# KiCad board NS32016-BC.kicad_pcb (continued)
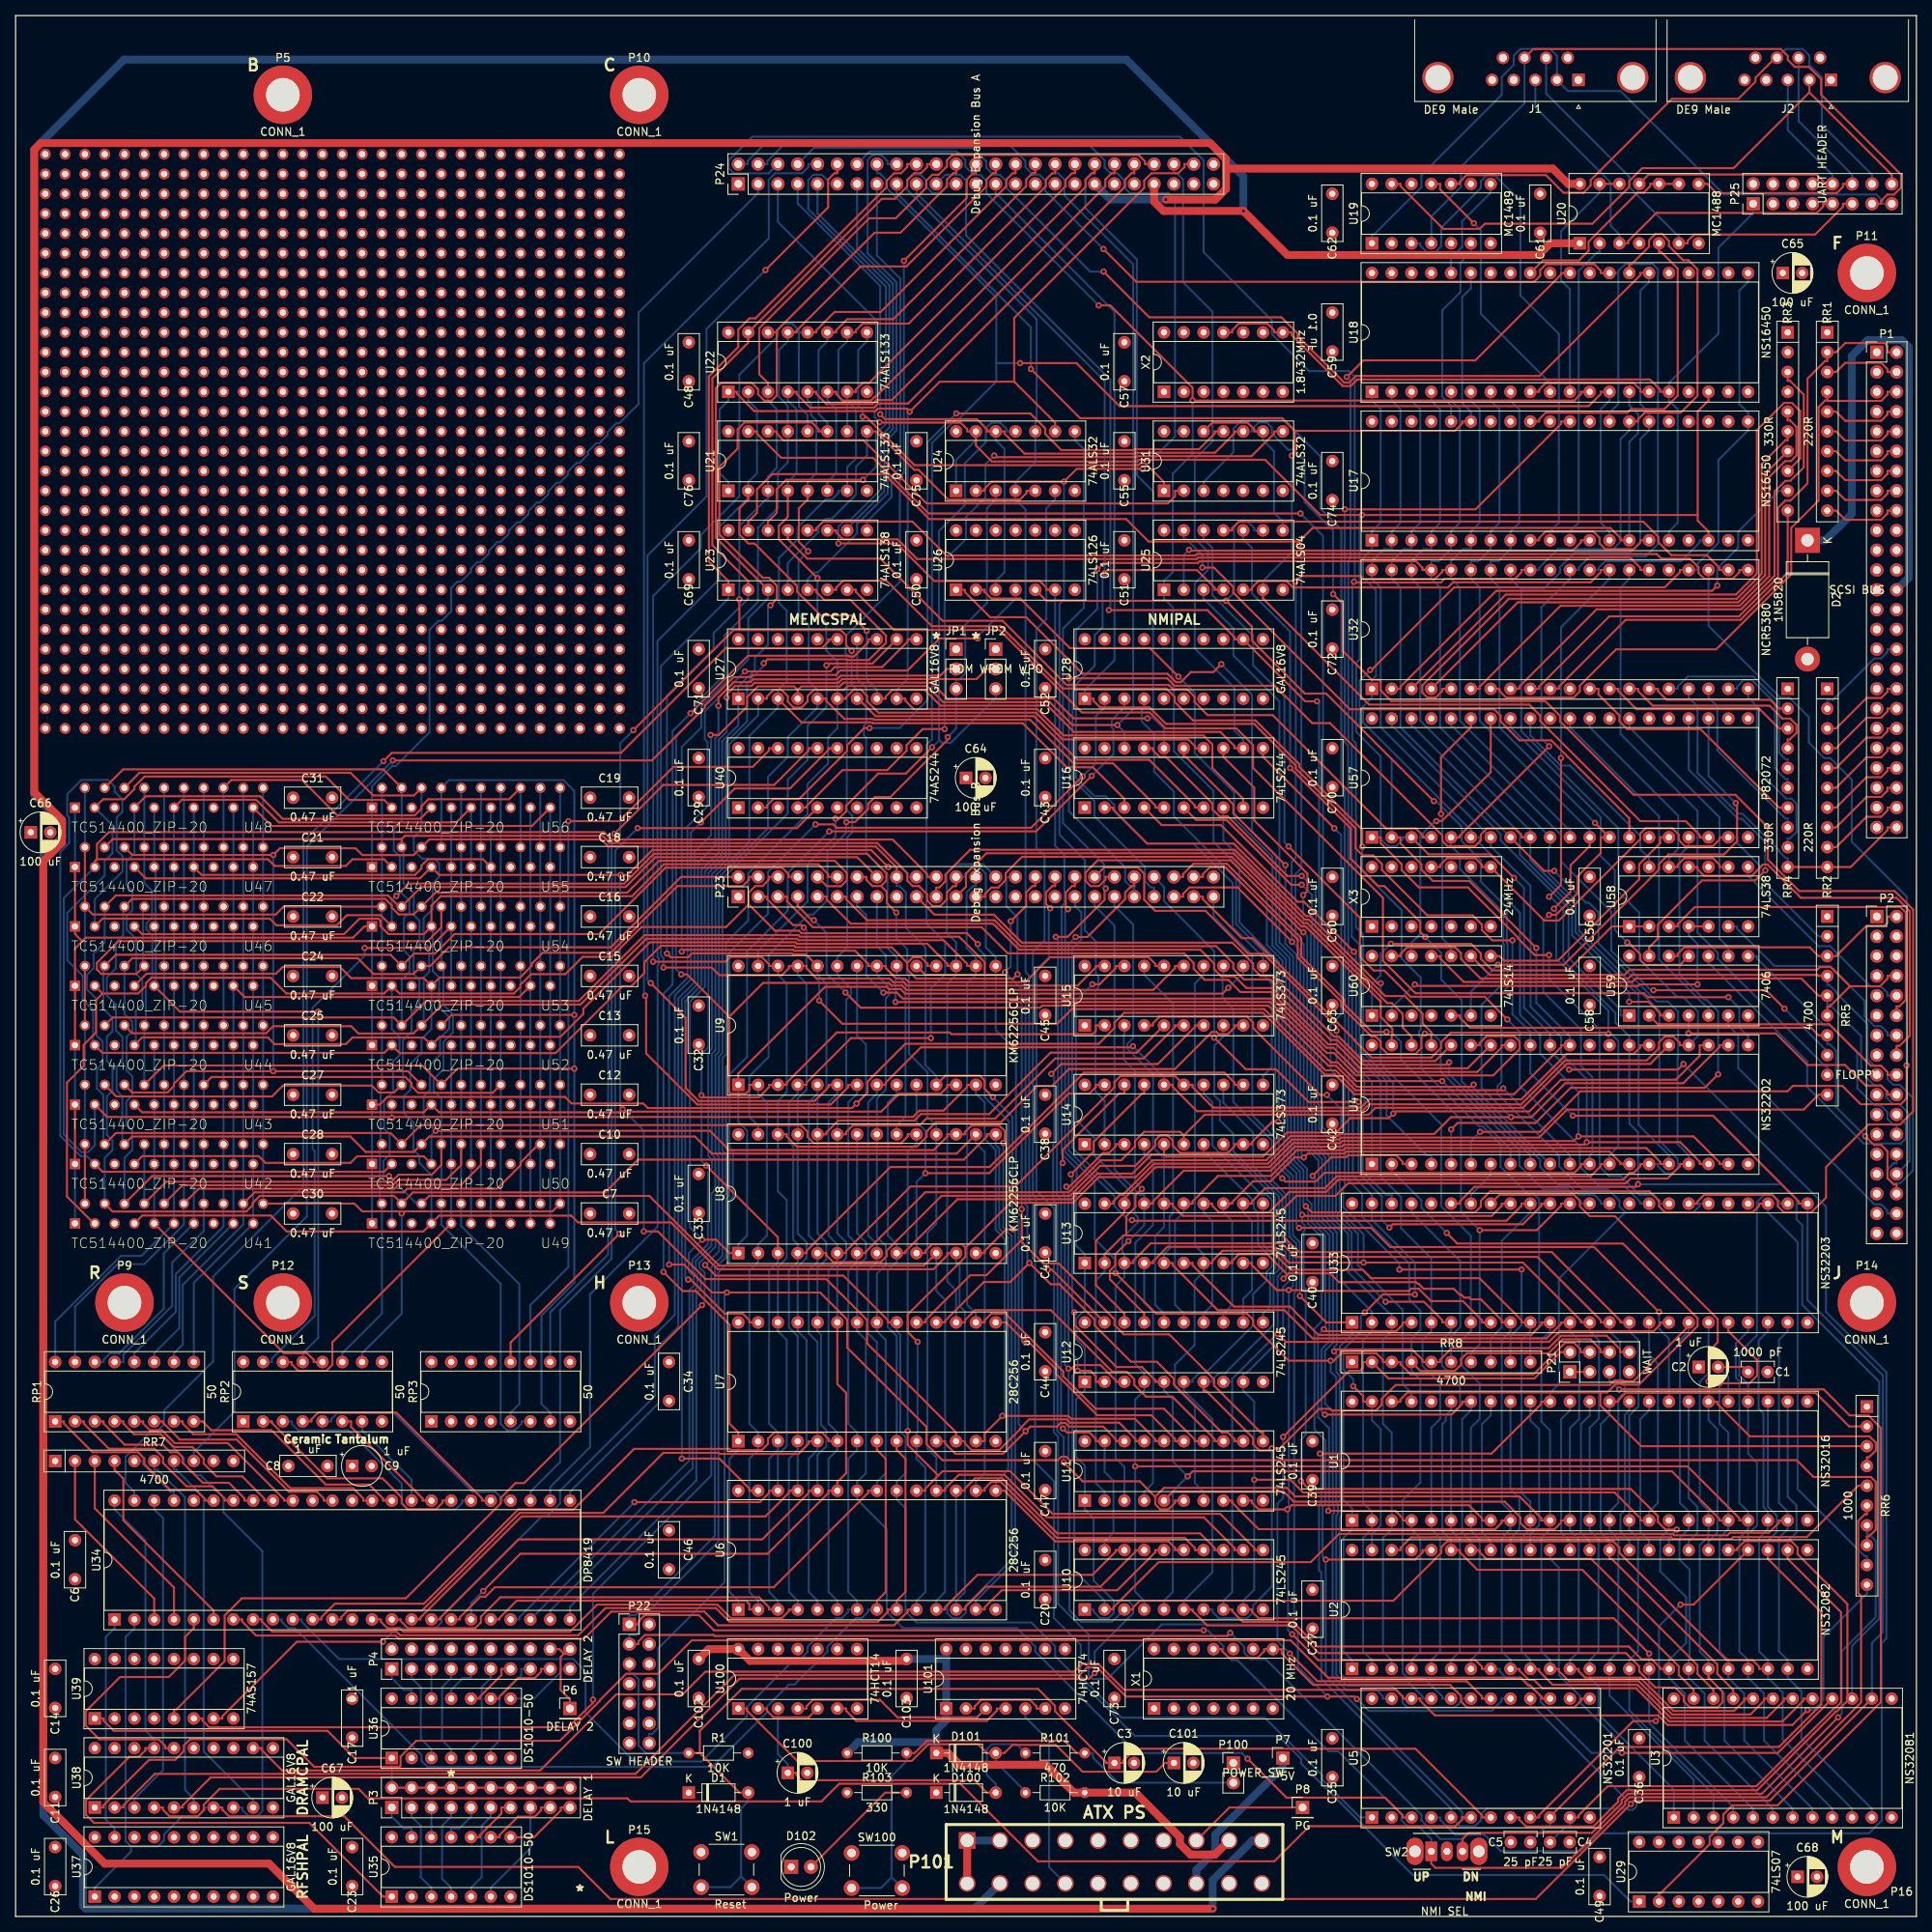
[diagram p0: board, top side]
## Routing (per net, layer and track width the routed paths; a pad name or vN(x,y) marks a point on that pad's centre or on a via; arc(x,y) is an arc through that point) (continued)
-rst_sw: length 162.2
  Top w0.25: 87.77,20.96 87.77,23.81 93.15,29.18 131.16,29.18 133.35,27 133.35,26.31 139.84,19.82 139.84,19.69 C3.1 142.1,19.69 142.1,19.97 143.63,21.51 179.58,21.51 188.1,12.98 188.1,12.7 U5.7 ; 87.77,20.96 R1.1 ; 87.77,20.96 92.85,15.88 D1.2
  Bottom w0.25: R1.1 80.88,20.96 79.91,21.92 79.91,30.41 79.1,31.21 78.73,31.21 P22.5 ; SW1.2 91.7,3.75 93.07,5.13 ; 93.07,5.13 SW1.2 ; 93.07,5.13 93.07,13.84 93.98,14.75 D1.2
-rts1: length 43.7
  Top w0.25: U20.5 210.82,213.5 211.1,213.5 213.22,211.39 213.22,195.08 211.48,193.35 207.19,193.35 206.74,192.9 196.28,192.9 195.44,192.05 195.44,191.77 U17.32
  In1.Cu w0.25: U20.4 U20.5
-rts2: length 24.6
  Top w0.25: U18.32 195.93,212.44 200.55,212.44 201.79,213.67 201.79,214.84 208.07,221.12 208.85,221.12 209.69,221.97 209.69,222.25 U20.10 U20.9
-rxd1: length 68
  Bottom w0.25: U17.10 196.85,177.66 197.98,178.78 197.98,203 193.04,207.94 193.04,220.05 189.71,223.38 188.77,223.38 187.96,222.57 187.96,221.72 182.88,216.64 182.88,214.26 182.11,213.48 181.06,213.48 180.2,214.35 180.2,214.63 U19.3
-rxd2: length 33.6
  Top w0.25: U19.11 182.74,222.25 182.74,221.54 v1(187.07,217.2)
  Bottom w0.25: v1(187.07,217.2) 187.96,216.31 187.96,205.6 196.85,196.71 U18.10
-sc_ack: length 43.4
  Top w0.25: RR4.4 227.33,150.99 227.61,150.99 228.46,151.83 228.46,152.87 227.65,153.67 226.65,153.67 225,155.32 210.02,155.32 208.14,157.2 208.14,157.48 U32.14 ; P1.38 240.12,154.94 240.12,154.57 239.32,153.76 237.44,153.76 233.54,149.86 RR2.4
  In1.Cu w0.25: RR4.4 RR2.4
-sc_atn: length 37
  Top w0.25: U32.15 210.68,157.48 210.68,157.2 211.81,156.07 225.08,156.07 226.2,154.94 RR4.2
  In1.Cu w0.25: RR4.2 RR2.2
  Bottom w0.25: P1.32 240.12,162.56 240.12,162.19 239.32,161.38 238.46,161.38 233.14,156.07 232.41,156.07 RR2.2
-sc_bsy: length 41.4
  Top w0.25: P1.36 240.12,157.48 240.12,157.11 239.32,156.3 237.44,156.3 233.54,152.4 RR2.3 ; RR4.3 226.2,152.4 223.74,154.87 207.93,154.87 205.6,157.2 205.6,157.48 U32.13
  In1.Cu w0.25: RR4.3 RR2.3
-sc_cd: length 38.4
  Top w0.25: P1.46 240.12,144.78 240.12,144.41 239.32,143.6 237.44,143.6 233.54,139.7 RR2.8
  In1.Cu w0.25: RR4.8 RR2.8
  Bottom w0.25: RR4.8 227.33,140.83 227.05,140.83 218.3,149.58 218.3,155.23 217.17,156.35 U32.18
-sc_db<0>: length 85.3
  Top w0.25: P1.2 240.12,200.66 240.12,201.47 239.76,201.84 234.71,201.84 233.54,200.66 RR1.2 232.41,199.53 232.13,199.53 229.87,197.28 229.87,183.82 227.66,181.61 227,181.61 226.08,180.69 226.08,171.78 221.08,166.78 204.45,166.78 195.44,157.76 195.44,157.48 U32.9
  In1.Cu w0.25: RR3.2 RR1.2
-sc_db<1>: length 84.3
  Top w0.25: U32.8 192.9,157.48 192.9,157.76 202.81,167.68 221.35,167.68 225.63,171.96 225.63,182.77 227.01,184.15 227.66,184.15 229.39,185.88 229.39,195.22 227.61,196.99 227.33,196.99 RR3.3 ; RR1.3 233.54,198.12 234.71,199.3 239.32,199.3 240.12,198.49 240.12,198.12 P1.4
  In1.Cu w0.25: RR3.3 RR1.3
-sc_db<2>: length 86.3
  Top w0.25: P1.6 240.12,195.58 240.12,195.21 239.32,194.4 232.46,194.4 232.41,194.45 ; U32.7 190.36,157.48 190.36,157.2 191.2,156.35 199.87,156.35 200.66,157.15 200.66,157.88 205.33,162.54 218.16,162.54 227.78,172.17 227.78,178.12 231.28,181.62 231.28,193.61 232.13,194.45 232.41,194.45 ; RR1.4 232.41,194.45
  In1.Cu w0.25: RR3.4 RR1.4
-sc_db<3>: length 83.2
  Top w0.25: RR3.5 227.33,191.91 227.61,191.91 228.46,191.07 228.46,187.41 227.73,186.69 227.01,186.69 224.96,184.64 224.96,171.92 221.16,168.13 198.18,168.13 187.82,157.76 187.82,157.48 U32.6 ; RR1.5 233.54,193.04 234.71,191.86 239.32,191.86 240.12,192.67 240.12,193.04 P1.8
  In1.Cu w0.25: RR3.5 RR1.5
-sc_db<4>: length 90
  Top w0.25: P1.10 240.12,190.5 240.12,190.13 239.32,189.32 234.71,189.32 233.54,190.5 RR1.6 ; U32.5 183.02,157.48 183.02,157.2 182.18,156.35 181.12,156.35 180.45,157.02 180.45,157.92 191.55,169.03 220.79,169.03 223.99,172.23 223.99,186.32 227.05,189.37 227.33,189.37 RR3.6
  In1.Cu w0.25: RR3.6 RR1.6
-sc_db<5>: length 81.1
  Top w0.25: RR1.7 233.54,187.96 234.71,186.78 239.32,186.78 240.12,187.59 240.12,187.96 P1.12 ; U32.4 192.71,168.58 220.97,168.58 224.44,172.05 224.44,185.07 RR3.7
  In1.Cu w0.25: RR3.7 RR1.7
-sc_db<6>: length 99.8
  Top w0.25: U32.3 191.17,169.58 220.7,169.58 223.38,172.25 223.38,190.68 226.86,194.17 227.86,194.17 228.94,193.09 228.94,187.03 RR3.8 ; P1.14 240.12,185.42 240.12,185.05 239.32,184.24 234.71,184.24 233.54,185.42 RR1.8
  In1.Cu w0.25: RR3.8 RR1.8
-sc_db<7>: length 79.1
  Top w0.25: U32.2 177.66,157.48 177.66,157.76 189.94,170.05 217.62,170.05 v1(218.3,170.72) ; RR1.9 233.54,182.88 234.71,181.7 239.32,181.7 240.12,182.51 240.12,182.88 P1.16
  In1.Cu w0.25: RR3.9 RR1.9
  Bottom w0.25: v1(218.3,170.72) 218.3,172.92 220.98,175.6 220.98,177.66 226.2,182.88 RR3.9
-sc_dbp: length 59.9
  Top w0.25: P1.18 240.12,180.34 240.12,179.97 239.32,179.16 234.71,179.16 233.54,180.34 RR1.10 ; RR3.10 227.33,172.39 221.27,166.33 206.54,166.33 197.98,157.76 197.98,157.48 U32.10
  In1.Cu w0.25: RR3.10 RR1.10
-sc_io: length 44.9
  Top w0.25: RR4.10 RR2.10 235.41,134.62 240.12,139.33 240.12,139.7 P1.50
  Bottom w0.25: RR4.10 227.33,135.75 227.11,135.75 226.2,136.65 226.2,136.78 221.51,141.48 220.96,141.48 215.76,146.69 215.76,155.23 214.63,156.35 U32.17
-sc_msg: length 35.8
  Top w0.25: RR2.6 233.54,144.78 237.44,148.68 239.32,148.68 240.12,149.49 240.12,149.86 P1.42
  In1.Cu w0.25: RR4.6 RR2.6
  Bottom w0.25: RR4.6 227.33,145.91 227.05,145.91 225.69,147.27 225.69,155.64 222.71,158.61 221.69,158.61 220.84,157.76 220.84,157.48 U32.19
-sc_req: length 40.2
  Top w0.25: P1.48 240.12,142.24 240.12,141.87 239.32,141.06 237.44,141.06 233.54,137.16 RR2.9
  In1.Cu w0.25: RR4.9 RR2.9
  Bottom w0.25: RR4.9 227.33,138.29 227.61,138.29 228.46,139.13 228.46,142.74 227.79,143.4 227.11,143.4 223.38,147.14 223.38,155.23 222.25,156.35 U32.20
-sc_rst: length 41.7
  Top w0.25: RR2.5 233.54,147.32 237.44,151.22 239.32,151.22 240.12,152.03 240.12,152.4 P1.40
  In1.Cu w0.25: RR4.5 RR2.5
  Bottom w0.25: RR4.5 227.33,148.45 227.05,148.45 226.2,149.29 226.2,155.76 222.9,159.06 214.52,159.06 213.22,157.76 213.22,157.48 U32.16
-sc_sel: length 48.9
  Top w0.25: P1.44 240.12,147.32 240.12,146.95 239.32,146.14 237.44,146.14 233.54,142.24 RR2.7 ; U32.12 203.06,157.48 203.06,156.75 205.74,154.07 205.74,153.3 206.75,152.29 216.15,152.29 226.2,142.24 RR4.7
  In1.Cu w0.25: RR4.7 RR2.7
-spc: length 81.1
  Top w0.25: U3.21 220.34,29.07 218.3,31.11 218.3,32.32 204.75,45.86 204.47,45.86 U2.35 ; RR6.2 235.21,62.86 230.9,67.17 206.54,67.17 205.6,66.22 205.6,66.04 U1.35
  Bottom w0.25: U1.35 204.47,64.28 203.34,63.15 203.34,49.24 204.47,48.12 U2.35
-sram_cs: length 66.8
  Bottom w0.25: U8.20 113.03,101.46 114.16,102.58 114.16,119.67 113.03,120.79 U9.20 113.03,123.05 111.84,124.23 111.84,133.67 109.11,136.41 109.11,151.22 108.82,151.51 108.82,152.74 109.11,153.03 109.11,157.59 107.97,158.72 107.97,162.68 107.95,162.7 U27.14
-supervisor: length 20
  Bottom w0.25: U2.36 201.93,48.12 200.8,49.24 200.8,63.15 201.93,64.28 U1.36
-system_reset: length 335.6
  Top w0.25: v1(198.25,148.6) 198.25,132.33 v1(196.72,130.8) ; 234.99,27.94 234.99,40.07 228.6,46.46 228.6,47.32 227.77,48.15 221.81,48.15 220.84,47.17 220.84,46.99 U2.29 ; 234.99,27.94 U3.15 ; 234.99,27.94 234.99,27.65 233.6,26.26 233.5,26.26 223.42,16.19 206.67,16.19 205.58,15.1 205.58,14.71 202.41,11.54 193.77,11.54 192.9,12.42 192.9,12.7 U5.8 ; v1(208.14,93.92) 207.81,93.59 187.15,93.59 185.28,91.72 185.28,91.44 U33.43 ; U25.5 158.61,170.18 158.61,170.46 159.45,171.31 163.06,171.31 163.88,170.48 183.75,170.48 184.42,171.14 202.05,171.14 203.34,172.44 203.34,172.72 U32.28
  Bottom w0.25: v1(196.72,130.8) 196.89,130.8 198.54,129.15 198.54,122.6 205.22,115.91 205.22,114.67 207.01,112.89 U4.27 207.01,101.71 208.14,100.59 v1(208.14,93.92) 226.51,93.92 228.46,91.98 228.46,89.43 229.2,88.69 229.2,78.47 239.07,68.6 239.07,38.19 235.58,34.71 U3.15 ; v1(198.25,148.6) 198.25,165.37 204.47,171.59 U32.28
-tso: length 328.3
  Top w0.25: U38.2 13.83,13.97 13.83,14.25 17.85,18.28 79.52,18.28 92.18,30.95 136.47,30.95 137.46,31.94 138.72,31.94 142.45,28.21 v1(168.28,28.21) 171.75,28.21 v1(172.06,27.89)
  Bottom w0.25: v1(168.28,28.21) 164.49,32 164.49,36.5 164.02,36.96 164.02,80.01 164.31,80.29 164.31,86.3 163.4,87.2 163.4,94.79 162.05,96.15 162.05,100.19 161.25,100.98 161.25,103.95 161.6,104.3 161.6,122.26 156.56,127.29 156.56,133.14 148.59,141.11 148.59,144.3 146.05,146.84 146.05,151.7 144.46,153.29 144.46,154.76 144.78,155.08 U28.4 ; U5.17 190.64,27.94 190.64,27.66 189.35,26.36 173.59,26.36 v1(172.06,27.89)
-txd1: length 39.8
  Bottom w0.25: U20.2 203.2,213.5 202.92,213.5 200.52,211.1 200.52,178.78 199.39,177.66 U17.11
-txd2: length 31.7
  Top w0.25: U20.12 U20.13
  Bottom w0.25: U18.11 199.39,208.73 198.25,209.87 198.25,216.18 203.2,221.12 U20.13
-wait1: length 190.3
  Top w0.25: P23.40 139.79,133.35 139.79,132.98 138.99,132.17 137.9,132.17 137.25,132.83 137.25,133.91 138.81,135.48 155.84,135.48 165.07,126.25 v1(165.2,126.25) ; v1(169.14,72.49) 169.39,72.74 179.15,72.74 180.48,71.4 180.48,71.12 RR8.5 182.74,71.12 182.74,71.4 184.24,72.91 196.68,72.91 198.26,74.49 204.1,74.49 205.83,72.76 205.83,72.39 P21.8
  Bottom w0.25: v1(165.2,126.25) 165.69,125.76 165.69,103.71 165.86,103.55 165.86,98.89 167.59,97.16 167.59,89.63 169.48,87.74 169.48,73.37 169.14,73.03 v1(169.14,72.49) 169.42,72.2 169.42,69.81 169.87,69.37 169.87,53.27 170.08,53.06 170.08,51.41 169.86,51.2 169.86,31.27 171.09,30.04 178.66,30.04 180.48,28.22 180.48,27.94 U5.21
-wait2: length 167.8
  Top w0.25: v1(169.46,113.61) 169.46,114.11 160.08,123.48 158.15,123.48 152.64,129 146.19,129 144.78,130.41 144.78,133.75 143.97,134.57 139.65,134.57 P23.38 ; RR8.4 180.22,69.97 184.62,69.97 185.42,70.78 185.42,71.49 186.17,72.25 196.65,72.25 198.44,74.03 202.02,74.03 203.29,72.76 203.29,72.39 P21.6
  Bottom w0.25: v1(169.46,113.61) 169.46,109.7 170.98,108.18 170.98,94.45 172.72,92.71 172.72,89.8 178.78,83.74 178.78,79.14 180.2,77.72 180.2,75.25 179.07,74.12 RR8.4 179.07,69.99 180.21,68.86 180.21,55.67 177.93,53.39 177.93,31.23 178.53,30.62 180.62,30.62 183.02,28.22 183.02,27.94 U5.20
-wait4: length 185.4
  Top w0.25: P23.36 135.89,132.17 135.52,132.17 134.71,131.37 134.71,129.49 v1(134.99,129.21) ; P21.4 200.75,72.39 200.75,72.76 199.93,73.58 198.77,73.58 194.71,69.52 178.97,69.52 177.66,70.84 177.66,71.12 RR8.3 175.4,71.12 175.4,71.4 174.56,72.25 170.06,72.25 169.1,71.29 v1(168.7,71.29) 163.32,71.29 158.75,75.86 158.75,76.55 157.97,77.33 146.31,77.33 v1(141.1,82.53)
  Bottom w0.25: v1(168.7,71.29) 168.7,69.9 169.42,69.18 169.42,53.08 169.63,52.88 169.63,51.6 169.41,51.39 169.41,31.01 170.86,29.55 176.55,29.55 177.93,28.17 177.93,27.41 178.52,26.81 184.63,26.81 185.56,27.75 185.56,27.94 U5.19 ; v1(141.1,82.53) 141.1,84.22 138.43,86.89 138.43,94.26 134.63,98.05 134.63,128.85 v1(134.99,129.21)
-wait8: length 234.7
  Top w0.25: v1(132.72,129.33) 132.17,129.87 132.17,131.37 132.98,132.17 133.35,132.17 P23.34 ; U5.18 188.1,27.94 188.1,28.22 186.15,30.17 167,30.17 v1(163.46,33.72) ; v1(162.6,61.51) 171.08,69.99 172.44,69.99 172.86,70.42 172.86,71.12 RR8.2 176.1,69.01 194.84,69.01 198.21,72.39 P21.2
  Bottom w0.25: v1(162.6,61.51) 162.6,53.66 161.88,52.94 161.88,37.46 ; 161.88,37.46 147.04,37.46 140.05,30.46 138.12,30.46 137.67,30.91 137.67,36.16 133.73,40.1 133.73,61.54 133.18,62.09 133.18,63.07 133.21,63.1 133.21,90.84 130.95,93.1 130.95,121.45 132.55,123.04 132.55,129.15 v1(132.72,129.33) ; 161.88,37.46 161.88,35.3 v1(163.46,33.72)
-we_h0: length 99.9
  Top w0.25: U40.4 101.46,142.24 101.46,142.43 106.08,147.06 111.82,147.06 114.3,149.53 114.3,150.26 116.36,152.32 v1(119.18,152.32) ; U31.8 161.43,190.5 161.43,190.22 158.53,187.31 143.9,187.31 143.78,187.2 125.74,187.2 v1(125.53,187.4)
  Bottom w0.25: v1(125.53,187.4) 124.41,186.28 124.41,182.01 121.92,179.52 121.92,176.7 119.18,173.96 v1(119.18,152.32)
-we_h1: length 101.9
  Top w0.25: U40.16 101.74,149.86 101.74,149.58 97.32,145.15 83.1,145.15 v1(76.82,138.88)
  Bottom w0.25: RP3.10 68.58,77.49 76.01,84.92 76.01,138.07 v1(76.82,138.88)
-we_h2: length 224
  Top w0.25: v1(71.67,108.76) 56.69,108.76 U51.8 52.14,109.15 18.98,109.15 U43.8 ; v1(71.67,115.65) 55.96,115.65 U52.8
  Bottom w0.25: U55.8 U56.8 55.6,145.77 70.28,145.77 71.67,144.38 v1(71.67,115.65) v1(71.67,108.76) 71.67,81.29 67.45,77.08 67.45,65.75 68.58,64.63 RP3.7 ; U43.8 U44.8 16.7,114.49 16.7,119.73 17.53,120.56 17.53,125.85 16.79,126.59 16.79,127.41 17.5,128.11 17.5,131.57 16.51,132.56 U47.8 U48.8
-we_l0: length 104.1
  Top w0.25: U40.2 96.38,142.24 96.38,142.52 97.22,143.37 100.53,143.37 106.68,149.51 106.68,150.26 108.86,152.44 v1(109.55,152.44) ; U31.11 153.81,190.5 153.81,190.22 151.81,188.21 143.53,188.21 143.41,188.1 134.15,188.1 132.08,190.17 132.08,190.9 130.17,192.8 v1(120.68,192.8)
  Bottom w0.25: v1(109.55,152.44) 113.4,152.44 116.98,156.03 116.98,189.1 v1(120.68,192.8)
-we_l1: length 102.3
  Top w0.25: v1(70.92,140.5) 77.42,140.5 84.38,147.46 94.55,147.46 96.66,149.58 96.66,149.86 U40.18
  Bottom w0.25: RP3.11 66.04,78.42 70.92,83.29 v1(70.92,140.5)
-we_l2: length 190.9
  Top w0.25: U45.8 15.5,120.91 10.99,120.91 10.43,121.47 10.43,122.33 13.2,125.11 52.85,125.11 54.61,126.87 U54.8 ; U50.8 54.61,96.39 53.37,95.16 49.12,95.16 48.21,94.24 19.31,94.24 U41.8
  Bottom w0.25: U41.8 U42.8 ; U46.8 16.34,129.37 16.34,122.09 U45.8 ; RP3.6 64.91,63.5 64.91,63.22 64.07,62.37 63.03,62.37 62.23,63.18 62.23,81.14 54.61,88.76 U49.8 U50.8 54.61,104.93 53.61,105.92 53.61,107.4 54.89,108.68 54.89,112.18 56.1,113.38 56.1,115.73 54.89,116.94 54.89,121.64 U53.8 U54.8
-win: length 8.1
  Bottom w0.25: RR7.5 16.37,58.42 16.37,58 19.9,54.47 20.32,54.47 U34.45
-wr: length 469.1
  Top w0.25: U17.18 217.17,177.66 215.79,179.04 215.79,179.78 ; v1(110.82,191.69) 110.89,191.63 121.22,191.63 122.06,190.78 122.06,190.5 U24.13 123.19,188.68 125.24,186.64 143.86,186.64 144.09,186.86 160.28,186.86 167.37,179.78 v1(172.71,179.78) 215.79,179.78 ; 215.79,179.78 215.79,193.07 217.17,194.45 U18.18 ; v1(213.96,109.34) 213.25,108.63 v1(199.29,108.63) ; v1(192.22,133.22) 189.2,136.25 181.25,136.25 U57.3
  Bottom w0.25: v1(213.96,109.34) 232.25,91.05 232.25,77.55 239.98,69.81 239.98,35.66 239.39,35.06 239.39,12.3 237.75,10.66 203.07,10.66 200.78,8.37 190.55,8.37 188.44,10.48 184.67,10.48 182.74,12.42 182.74,12.7 U5.4 ; v1(172.71,179.78) 172.41,179.48 172.41,161.24 171.96,160.79 171.96,151.97 175.12,148.82 175.12,138.24 176.06,137.3 177.09,137.3 177.94,138.15 177.94,138.43 U57.3 ; U24.1 120.65,186.83 123.19,189.37 U24.13 ; U17.18 216.04,176.53 216.04,176.25 213.64,173.85 203.9,173.85 203.06,173 203.06,172.72 U32.29 ; v1(110.82,191.69) 110.19,192.32 110.19,193 110.38,193.19 110.38,204.77 97.79,217.36 P24.5 ; v1(192.22,133.22) 193.49,131.95 193.49,116.58 196.85,113.22 U4.31 196.85,110.63 197.29,110.63 v1(199.29,108.63)
-wr_e: length 98.5
  Top w0.25: v1(106.57,140.38) 107.68,140.38 109.36,142.06 109.36,142.72 110.25,143.61 112.23,143.61 119.57,150.95 v1(119.57,151.29)
  Bottom w0.25: v1(106.57,140.38) 106.57,139.03 104.14,136.59 104.14,130.36 102.31,128.52 101.73,128.52 96.6,123.4 96.6,110.25 94.12,107.77 94.12,102.58 95.25,101.46 U8.27 ; v1(119.57,151.29) 120.65,152.37 JP1.3 120.65,158.66 121.02,158.66 121.83,159.46 121.83,165.7 124.6,168.48 124.6,180.63 125.73,181.75 U24.3
-wr_o: length 99.1
  Top w0.25: v1(105.18,140.83) 105.6,140.83 106.54,141.77 106.54,142.5 110.65,146.61 114.2,146.61 v1(117.57,149.98)
  Bottom w0.25: 118.5,150.91 118.85,150.56 119.98,150.56 125.73,156.3 JP2.3 ; 118.5,150.91 v1(117.57,149.98) ; 118.5,150.91 118.45,150.95 118.45,177.72 121.78,181.04 121.78,186.42 124.46,189.11 124.46,190.9 125.19,191.63 126.3,191.63 127.14,190.78 127.14,190.5 U24.11 ; v1(105.18,140.83) 105.18,138.56 101.6,134.98 101.6,130.2 95.25,123.85 U9.27
/CPU/+bbg: length 9.1
  Top w0.25: C2.2 221.62,70.48 C1.1
  Bottom w0.25: U1.29 219.71,69.17 C2.2
/IO/sc_term: length 67.7
  Bottom w1: P1.26 242.86,171.74 242.86,201.31 241.96,202.21 237.58,202.21 235.55,200.18 235.55,179.91 232.17,176.53 D2.1
io_decode1: length 207
  Top w0.25: v1(164.83,179.97) 117.12,179.97 109.97,187.12 98.2,187.12 95.11,190.22 95.11,190.5 U21.15 ; v1(193.18,82.98) v1(177.51,82.98)
  Bottom w0.25: v1(164.83,179.97) 167.72,177.08 167.72,127.32 168.24,126.8 168.24,124.26 170.05,122.45 170.05,115.74 168.69,114.38 168.69,108.65 170.49,106.85 170.49,93.71 170.3,93.52 170.3,90.99 177.51,83.79 v1(177.51,82.98) ; v1(193.18,82.98) 193.18,75.85 191.77,74.44 RR8.9
io_decode2: length 162.1
  Top w0.25: U23.6 105.27,170.18 105.27,170.46 106.15,171.35 111.72,171.35 117.55,165.51 126.36,165.51 134.35,157.52 147.61,157.52 148.69,156.44 148.69,155.79 151.05,153.43 159.06,153.43 164.67,147.82 164.67,147.48 172.75,139.41 v1(172.75,137.22)
  Bottom w0.25: v1(172.75,137.22) 172.75,134.11 177.8,129.06 177.8,122.87 180.26,120.41 180.26,113.75 180.05,113.54 180.05,112.94 180.33,112.66 180.33,108.77 187.72,101.37 188.16,101.37 190.5,99.04 190.5,96.16 193.93,92.73 194.68,92.73 195.44,91.97 195.44,75.57 194.31,74.44 RR8.10
PG: length 15.4
  Top w0.25: P8.1 155.7,13.97 P101.15
PWR_ON: length 24.6
  Bottom w0.25: U101.5 129.54,25.54 132.57,22.51 132.57,6.33 P101.8
Net-(C100-Pad1): length 48.5
  Top w0.25: D100.2 124.6,15.88 123.02,17.47 102.69,17.47 102.52,17.29 101.03,17.29 100.19,18.14 100.19,18.42 C100.1
  Bottom w0.25: R101.1 128.41,22.09 125.25,22.09 124.6,21.44 124.6,18.13 125.73,17.01 D100.2 ; U100.3 97.79,20.82 99.06,19.55 C100.1
Net-(C101-Pad1): length 69.2
  Top w0.25: C101.1 147.46,19.69 146.34,18.56 136.87,18.56 133.43,22 127.9,22 126.86,20.96 D101.2 124.6,20.96 123.48,22.09 117.09,22.09 114.94,19.93 100.29,19.93 93.84,26.39 93.84,26.67 U100.1
  Bottom w0.25: D101.2 125.73,19.83 129.54,16.02 R102.1
Net-(D102-Pad2): length 16.2
  Top w0.25: D102.2 111.56,15.88 R103.2
Net-(JP1-Pad2): length 143.2
  Top w0.25: v1(85.46,58.73) 90.28,58.73 94.12,54.89 94.12,54.61 U6.27 ; v1(90.16,155.3) 90.16,156.38 92.12,158.33 94.24,158.33 94.6,158.69 105.35,158.69 105.84,159.17 118.63,159.17 119.47,160.02 JP1.2
  Bottom w0.25: v1(85.46,58.73) 85.46,117.57 87.53,119.64 87.53,135.17 89.75,137.39 89.75,151.13 90.16,151.54 v1(90.16,155.3)
Net-(JP2-Pad2): length 124.7
  Top w0.25: v1(91.22,156.36) 91.22,156.79 92.26,157.83 94.38,157.83 94.78,158.24 105.54,158.24 106.02,158.72 123.26,158.72 124.55,160.02 JP2.2 ; v1(86.27,81.69) 86.61,81.69 90.98,77.33 93.28,77.33 94.12,76.48 94.12,76.2 U7.27
  Bottom w0.25: v1(86.27,81.69) 85.91,82.05 85.91,117.39 87.98,119.46 87.98,134.24 90.2,136.46 90.2,150.94 91.22,151.96 v1(91.22,156.36)
Net-(P3-Pad1): length 5.5
  Bottom w0.25: P3.1 48.26,12.79 49.77,11.29 50.8,11.29 U35.13
Net-(P3-Pad3): length 12.5
  Bottom w0.25: U35.3 53.34,3.67 51.98,5.03 51.98,11.62 50.8,12.79 P3.3
Net-(P3-Pad5): length 3.8
  Bottom w0.25: U35.12 P3.5
Net-(P3-Pad7): length 12.4
  Bottom w0.25: P3.7 55.88,12.79 54.7,11.62 54.7,4.84 55.88,3.67 U35.4
Net-(P3-Pad9): length 5.5
  Bottom w0.25: U35.11 55.88,11.29 56.91,11.29 58.42,12.79 P3.9
Net-(P3-Pad11): length 12.5
  Bottom w0.25: P3.11 60.96,12.79 59.78,11.62 59.78,5.03 58.42,3.67 U35.5
Net-(P3-Pad13): length 7.3
  Top w0.25: U35.10 59.55,10.16 59.55,10.41 62.32,13.19 62.32,13.97 P3.13
Net-(P3-Pad15): length 13.5
  Bottom w0.25: P3.15 66.04,8.75 60.96,3.67 U35.6
Net-(P3-Pad17): length 9.6
  Top w0.25: U35.9 62.09,10.16 62.09,10.44 64.44,12.79 66.6,12.79 67.4,13.6 67.4,13.97 P3.17
Net-(P3-Pad19): length 9.4
  Top w0.25: U35.8 66.5,10.16 69.94,13.6 69.94,13.97 P3.19
Net-(P4-Pad1): length 5.5
  Bottom w0.25: P4.1 48.26,30.57 49.77,29.07 50.8,29.07 U36.13
Net-(P4-Pad3): length 12.5
  Bottom w0.25: P4.3 50.8,30.57 51.98,29.4 51.98,22.81 53.34,21.45 U36.3
Net-(P4-Pad5): length 3.8
  Bottom w0.25: U36.12 P4.5
Net-(P4-Pad7): length 12.4
  Bottom w0.25: U36.4 55.88,21.45 54.7,22.62 54.7,29.4 55.88,30.57 P4.7
Net-(P4-Pad9): length 5.5
  Bottom w0.25: P4.9 58.42,30.57 57.39,30.57 55.88,29.07 U36.11
Net-(P4-Pad10): length 31.4
  Top w0.25: P6.1 71.12,27.85 69.91,29.05 69.91,33.27 70.34,33.7 ; P4.18 69.76,34.29 70.34,33.7 ; 70.34,33.7 71.12,33.7 P4.20
  In1.Cu w0.25: P4.2 P4.18
Net-(P4-Pad11): length 12.5
  Bottom w0.25: U36.5 58.42,21.45 59.78,22.81 59.78,29.4 60.96,30.57 P4.11
Net-(P4-Pad13): length 7.3
  Top w0.25: P4.13 62.32,31.75 62.32,30.97 59.55,28.19 59.55,27.94 U36.10
Net-(P4-Pad15): length 14.2
  Bottom w0.25: U36.6 60.96,21.45 62.09,22.57 62.09,28.13 64.86,30.91 64.86,31.75 P4.15
Net-(P4-Pad17): length 9.6
  Top w0.25: P4.17 67.4,31.75 67.4,31.38 66.6,30.57 64.44,30.57 62.09,28.22 62.09,27.94 U36.9
Net-(P4-Pad19): length 9.4
  Bottom w0.25: U36.8 66.5,27.94 69.94,31.38 69.94,31.75 P4.19
Net-(P21-Pad1): length 122.2
  Top w0.25: P21.3 P21.1 ; v1(205.72,67.59) 205.75,67.62 231.93,67.62 235.28,64.27 237.68,64.27 239.28,62.67 239.28,27.5 226.04,14.25 220.25,14.25 219.07,13.07 219.07,11.97 217.31,10.21 217.31,9.25 211.1,3.04 210.82,3.04 U29.2
  In1.Cu w0.25: P21.3 P21.7
  Bottom w0.25: P21.5 204.47,68.67 204.63,68.67 v1(205.72,67.59)
Net-(P100-Pad2): length 69.5
  Top w0.25: R100.2 115.33,20.96 116.91,22.54 134.55,22.54 136.13,20.96 R101.2
  Bottom w0.25: R100.2 114.3,19.93 112.37,18 112.37,5.01 ; SW100.2 112.37,5.01 ; 112.37,5.01 111,3.64 SW100.2 ; P100.2 141.43,17.15 138.19,20.4 138.19,20.96 R101.2
Net-(U100-Pad2): length 8.7
  Top w0.25: U100.2 96.38,26.67 96.38,26.39 97.22,25.54 101.74,25.54 U100.5
Net-(U100-Pad4): length 26.2
  Top w0.25: U101.3 123.33,25.54 113.12,25.54 110.87,27.8 102.3,27.8 101.46,26.95 101.46,26.67 U100.4
Net-(U100-Pad6): length 23.2
  Top w0.25: U101.4 125.87,26.67 125.87,26.39 124.57,25.08 107.84,25.08 106.54,26.39 106.54,26.67 U100.6
Net-(U101-Pad2): length 11.4
  Top w0.25: U101.6 130.95,26.67 130.95,26.95 130.11,27.8 123.89,27.8 123.05,26.95 123.05,26.67 U101.2

## Copper pours and planes (outline as drawn; the poured copper is in the pictures)
GND on In1.Cu: 243.84,0 0,0 0,243.84 243.84,243.84
VCC on In2.Cu: 243.84,0 0,0 0,243.84 243.84,243.84

## Text on the board
User.Drawings: REAR IO WINDOW
F.Silkscreen: Ceramic | Tantalum | UP | DN | NMI | MEMCSPAL | NMIPAL | DRAMCPAL | RFSHPAL | R | S | B | * | H | C | L | F | J | M
